# Altium PCB 4th_main.PcbDoc (part 3 of 3)
Units mm, origin at the board's own origin, x right, y up, seen from the top; angles counter-clockwise.
Board outline 130 x 106.5 mm, 2 copper layers (Top Layer, Bottom Layer); 288 components, 276 nets, 1062 pads, 448 vias.
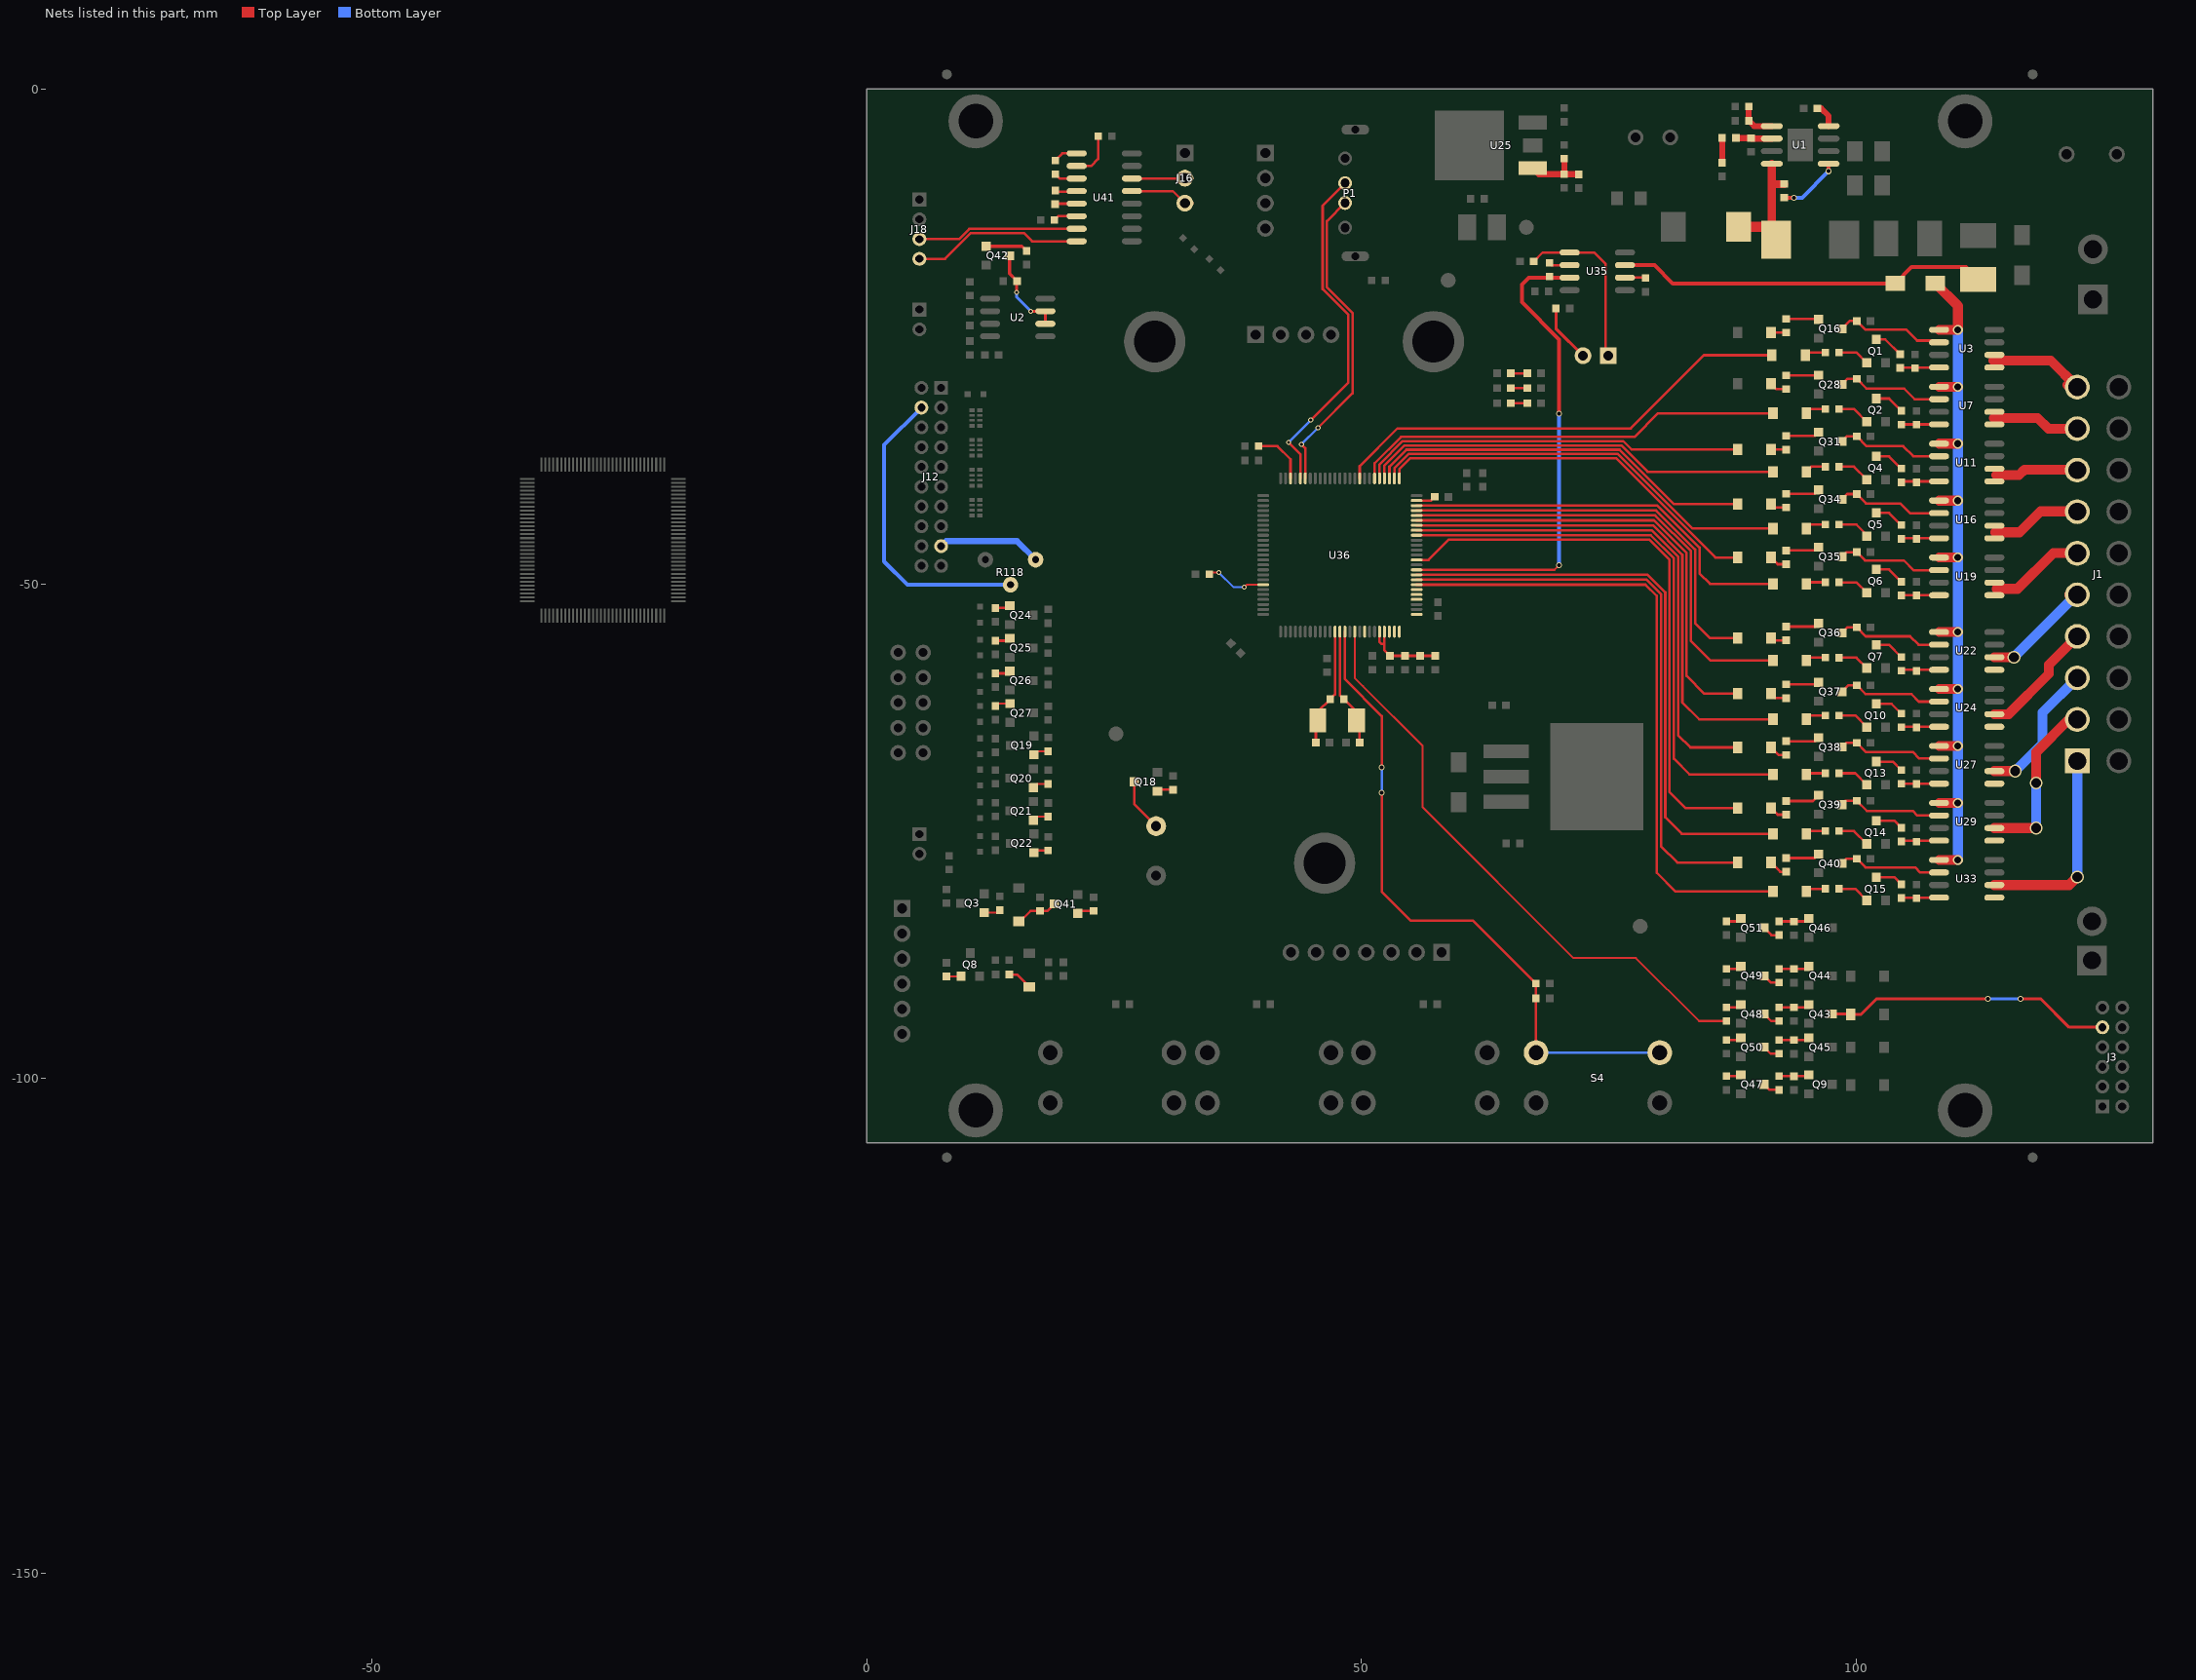
[diagram p3: the nets of this part, all layers, seen from the top]

## Via types
v1: diameter 0.5, hole 0.3, Top Layer to Bottom Layer, tented both sides, 259 vias
v2: diameter 0.6, hole 0.4, Top Layer to Bottom Layer, tented both sides, 152 vias
v3: diameter 1.3, hole 1, Top Layer to Bottom Layer, tented both sides, 13 vias
v4: diameter 1, hole 0.7, Top Layer to Bottom Layer, tented both sides, 10 vias
v5: diameter 0.8, hole 0.6, Top Layer to Bottom Layer, tented both sides, 5 vias
v6: diameter 0.9, hole 0.6, Top Layer to Bottom Layer, tented both sides, 5 vias
v7: diameter 1, hole 0.6, Top Layer to Bottom Layer, tented both sides, 3 vias
v8: diameter 2, hole 1.5, Top Layer to Bottom Layer, tented both sides, 1 vias

## Nets (pads, with @x,y where several pads share a name; then routed paths per layer and width w, separated by ;. In a path a pad name is that pad's centre, name@x,y a point inside that pad or via, vN(x,y) a via of type N, cw(c..) or ccw(c..) an arc to the next point about the centre after c; other vN are vias at no path point) (continued)
MOTOR_L3: D39.1 U36.55 | length 38.9
  Top Layer w0.254: U36.55@51.811,-39.346 51.811,-37.939 54.165,-35.585 76.434,-35.585 77.272,-36.424 D39.1@87.995,-36.424
MOTOR_L4: D40.1 U36.53 | length 39.4
  Top Layer w0.254: U36.53@52.811,-39.346 52.811,-38.16 54.523,-36.449 76.076,-36.449 81.588,-41.961 D40.1@87.995,-41.961
MOTOR_L5: D41.1 U36.51 | length 39.7
  Top Layer w0.254: U36.51@53.811,-39.346 53.811,-38.432 54.931,-37.313 75.718,-37.313 85.751,-47.346 D41.1@87.995,-47.346
MOTOR_L6: D42.1 U36.47 | length 42.1
  Top Layer w0.254: U36.47@55.561,-42.596 79.78,-42.596 83.718,-46.534 83.718,-53.975 85.242,-55.499 D42.1@87.995,-55.499
MOTOR_L7: D43.1 U36.45 | length 47
  Top Layer w0.254: U36.45@55.561,-43.596 79.559,-43.596 82.855,-46.892 82.855,-59.309 84.658,-61.112 D43.1@87.995,-61.112
MOTOR_L8: D44.1 U36.43 | length 52.1
  Top Layer w0.254: U36.43@55.561,-44.596 79.338,-44.596 81.991,-47.249 81.991,-65.303 83.236,-66.548 D44.1@87.995,-66.548
MOTOR_L9: D45.1 U36.37 | length 58.3
  Top Layer w0.254: U36.37@55.561,-47.596 56.762,-47.596 58.83,-45.528 79.048,-45.528 81.128,-47.607 81.128,-71.069 82.728,-72.669 D45.1@87.995,-72.669
MOTOR_L10: D46.1 U36.33 | length 59.2
  Top Layer w0.254: U36.33@55.561,-49.596 78.805,-49.596 80.264,-51.055 80.264,-76.53 81.915,-78.181 D46.1@87.995,-78.181
MOTOR_PWR1: J1.10 U3.5 U3.6 | length 9.8
  Top Layer w1: 113.868,-27.432 119.653,-27.432 J1.10@122.341,-30.12 ; J1.10@121.361,-29.914 J1.10@121.535,-30.088
MOTOR_PWR2: J1.9 U7.5 U7.6 | length 9
  Top Layer w1: 113.894,-33.249 118.339,-33.249 119.41,-34.32 J1.9@121.505,-34.32 ; J1.9@121.423,-34.401 J1.9@121.505,-34.32 ; J1.9@121.535,-34.289 J1.9@121.505,-34.32 ; J1.9@122.341,-34.32 J1.9@121.505,-34.32
MOTOR_PWR3: J1.8 U11.5 U11.6 | length 7.6
  Top Layer w1: 114.148,-39.014 116.462,-39.014 116.988,-38.488 J1.8@121.535,-38.488
MOTOR_PWR4: J1.7 U16.5 U16.6 | length 8.4
  Top Layer w1: 114.046,-44.806 116.513,-44.806 118.629,-42.689 J1.7@121.535,-42.689
MOTOR_PWR5: J1.6 U19.5 U19.6 | length 8.8
  Top Layer w1: 114.224,-50.521 116.284,-50.521 119.917,-46.888 J1.6@121.535,-46.888
MOTOR_PWR6: J1.5 U22.5 U22.6 | length 11.1
  Top Layer w1: U22.6@113.956,-57.431 115.927,-57.431 v3(115.934,-57.424) ; J1.5@121.535,-51.162 J1.5@121.535,-51.089
  Bottom Layer w1: v3(115.934,-57.424) 122.238,-51.12 J1.5@122.341,-51.12
MOTOR_PWR7: J1.4 U24.5 U24.6 | length 12.2
  Top Layer w1: U24.6@113.956,-63.188 115.402,-63.188 119.47,-59.12 119.47,-58.19 J1.4@122.341,-55.32
MOTOR_PWR8: J1.3 U27.5 U27.6 | length 14.1
  Top Layer w1: U27.6@113.956,-68.945 v3(116.071,-68.945)
  Bottom Layer w1: v3(116.071,-68.945) 118.83,-66.187 118.83,-63.03 J1.3@122.341,-59.52
MOTOR_PWR9: J1.2 U29.5 U29.6 | length 16.2
  Top Layer w1: U29.6@113.956,-74.703 v3(118.195,-74.703) ; v3(118.195,-70.149) 118.195,-67.01 J1.2@121.535,-63.669
  Bottom Layer w1: v3@118.195,-74.264 v3(118.195,-70.149)
MOTOR_PWR10: J1.1 U33.5 U33.6 | length 20.6
  Top Layer w1: U33.6@113.956,-80.46 121.521,-80.46 v3(122.341,-79.64)
  Bottom Layer w1: v3@122.225,-79.756 v3(122.341,-79.64) J1.1@122.341,-67.92
MOTOR_R1: D1.1 U36.59 | length 47.7
  Top Layer w0.254: U36.59@49.811,-39.346 49.811,-38.107 53.628,-34.29 77.214,-34.29 84.605,-26.899 D1.1@91.475,-26.899 ; D1.1@91.475,-26.944 91.531,-26.944 D1.1@91.576,-26.899
MOTOR_R2: D3.1 U36.56 | length 43.9
  Top Layer w0.254: U36.56@51.312,-39.346 51.312,-37.828 53.986,-35.154 77.572,-35.154 79.959,-32.766 D3.1@91.576,-32.766
MOTOR_R3: D4.1 U36.54 | length 42.7
  Top Layer w0.254: U36.54@52.312,-39.346 52.312,-38.049 54.344,-36.017 76.255,-36.017 78.922,-38.684 D4.1@91.576,-38.684 ; D4.1@91.449,-38.557 D4.1@91.576,-38.43
MOTOR_R4: D5.1 U36.52 | length 43
  Top Layer w0.254: U36.52@53.312,-39.346 53.312,-38.322 54.752,-36.881 75.897,-36.881 83.441,-44.425 D5.1@91.576,-44.425
MOTOR_R5: D6.1 U36.48 | length 40.8
  Top Layer w0.254: U36.48@55.561,-42.096 79.891,-42.096 84.15,-46.355 84.15,-48.946 85.217,-50.013 D6.1@91.576,-50.013
MOTOR_R6: D7.1 U36.46 | length 47.4
  Top Layer w0.254: U36.46@55.561,-43.096 79.67,-43.096 83.287,-46.713 83.287,-55.804 85.237,-57.754 D7.1@91.576,-57.754
MOTOR_R7: D10.1 U36.44 | length 52.9
  Top Layer w0.254: U36.44@55.561,-44.096 79.449,-44.096 82.423,-47.07 82.423,-62.001 84.119,-63.697 D10.1@91.576,-63.697
MOTOR_R8: D12.1 U36.42 | length 57.9
  Top Layer w0.254: U36.42@55.561,-45.096 79.227,-45.096 81.559,-47.428 81.559,-67.691 83.154,-69.285 D12.1@91.576,-69.285
MOTOR_R9: D14.1 U36.34 | length 60.2
  Top Layer w0.254: U36.34@55.561,-49.096 78.916,-49.096 80.696,-50.876 80.696,-73.609 82.366,-75.28 D14.1@91.576,-75.28
MOTOR_R10: D15.1 U36.32 | length 65.3
  Top Layer w0.254: U36.32@55.561,-50.096 78.694,-50.096 79.832,-51.234 79.832,-79.223 81.731,-81.122 D15.1@91.576,-81.122
MOTOR_S1: U36.31
MOTOR_S2: U36.30
MOTOR_S3: U36.29
MOTOR_S4: U36.26
MOTOR_S5: U36.25
MOTOR_S6: U36.24
MOTOR_S7: U36.23
MOTOR_S8: U36.18
NetC26_1: C26.1 U1.1 | length 6.9
  Top Layer w0.4: C26.1@92.719,-10.967 v2(93.709,-10.967) ; v2(97.212,-8.297) U1.1@97.212,-7.539
  Top Layer w0.6: U1.1@96.68,-7.539 U1.1@97.212,-7.539
  Bottom Layer w0.4: v2(93.709,-10.967) 94.542,-10.967 v2(97.212,-8.297)
NetC26_2: C26.2 D16.2 L1.1 U1.8 | length 13
  Top Layer w0.6: D16.2@91.087,-13.913 D16.2@91.464,-14.291 ; D16.2@91.464,-14.799 D16.2@91.464,-14.291 ; U1.8@91.464,-7.539 U1.8@91.896,-7.539 ; D16.2@91.9,-14.726 D16.2@91.464,-14.291
  Top Layer w0.8: D16.2@91.464,-14.291 91.464,-9.595 ; U1.8@91.464,-7.539 91.464,-9.595 ; C26.2@92.708,-9.595 91.464,-9.595
  Top Layer w1: L1.1@88.121,-13.913 D16.2@91.087,-13.913
NetC38_2: C38.2 U41.2 | length 4.8
  Top Layer w0.254: U41.2@21.195,-7.765 22.653,-7.765 23.37,-7.049 C38.2@23.37,-4.748
NetC39_1: C39.1 R79.1 R84.2 U25.1 | length 6.5
  Top Layer w0.6: U25.1@67.304,-7.992 67.91,-8.598 R84.2@70.487,-8.598 ; R79.1@70.479,-7.027 70.487,-7.035 R84.2@70.487,-8.598 ; C39.1@71.958,-8.611 71.945,-8.598 R84.2@70.487,-8.598
NetC40_1: C40.1 U41.1 | length 2.5
  Top Layer w0.254: C40.1@19.036,-7.208 19.749,-6.495 U41.1@21.195,-6.495
NetC40_2: C40.2 U41.3 | length 2.3
  Top Layer w0.254: C40.2@19.035,-8.592 19.478,-9.035 U41.3@21.195,-9.035
NetC41_1: C41.1 U41.5 | length 2.2
  Top Layer w0.254: C41.1@19.033,-11.754 19.212,-11.575 U41.5@21.195,-11.575
NetC41_2: C41.2 U41.4 | length 2.2
  Top Layer w0.254: C41.2@19.035,-10.37 21.13,-10.37 U41.4@21.195,-10.305
NetC46_1: C46.1 U41.6 | length 2.4
  Top Layer w0.254: C46.1@18.957,-13.228 19.339,-12.845 U41.6@21.195,-12.845
NetC59_1: C59.1 U1.4 | length 2.5
  Top Layer w0.6: C59.1@96.071,-1.95 96.452,-1.95 97.212,-2.709 U1.4@97.212,-3.729
NetC60_1: C60.1 R52.2 U1.6 | length 3.7
  Top Layer w0.6: R52.2@87.829,-4.923 87.853,-4.947 C60.1@89.366,-4.947 89.418,-4.999 U1.6@91.464,-4.999
NetC61_1: C61.1 R52.1 | length 2.5
  Top Layer w0.6: C61.1@86.445,-7.436 R52.1@86.445,-4.922
NetD1_2: D1.2 R9.1 | length 2
  Top Layer w0.254: D1.2@94.961,-26.899 95.247,-26.613 R9.1@96.884,-26.613
NetD3_2: D3.2 R22.1 | length 2.1
  Top Layer w0.254: D3.2@94.961,-32.766 95.399,-32.328 R22.1@96.884,-32.328
NetD4_2: D4.2 R32.1 | length 2.1
  Top Layer w0.254: D4.2@94.961,-38.684 95.475,-38.17 R32.1@96.884,-38.17
NetD5_2: D5.2 R46.1 | length 2.1
  Top Layer w0.254: D5.2@94.961,-44.425 95.374,-44.012 R46.1@96.884,-44.012
NetD6_2: D6.2 R55.1 | length 2
  Top Layer w0.254: D6.2@94.961,-50.013 95.12,-49.854 R55.1@96.884,-49.854
NetD7_2: D7.2 R68.1 | length 2
  Top Layer w0.254: D7.2@94.961,-57.754 95.241,-57.474 R68.1@96.884,-57.474
NetD8_2: D8.2 R122.1 | length 2.5
  Top Layer w0.254: R122.1@14.391,-89.51 15.173,-89.51 D8.2@16.408,-90.745 ; D8.2@16.408,-90.754 D8.2@16.423,-90.754
NetD10_2: D10.2 R73.1 | length 2.1
  Top Layer w0.254: D10.2@94.961,-63.697 95.342,-63.316 R73.1@96.884,-63.316
NetD12_2: D12.2 R85.1 | length 2
  Top Layer w0.254: D12.2@94.961,-69.285 95.088,-69.158 R85.1@96.884,-69.158
NetD14_2: D14.2 R90.1 | length 2
  Top Layer w0.254: D14.2@94.961,-75.28 95.241,-75 R90.1@96.884,-75
NetD15_2: D15.2 R99.1 | length 2
  Top Layer w0.254: D15.2@94.961,-81.122 95.241,-80.842 R99.1@96.884,-80.842
NetD17_1: D17.1 U3.1 U7.1 U11.1 U16.1 U19.1 U22.1 U24.1 U27.1 U29.1 U33.1 | length 78.3
  Top Layer w1: D17.1@107.994,-19.634 110.269,-21.909 v4(110.269,-24.326) U3.1@108.368,-24.326 ; U33.1@108.368,-77.92 108.369,-77.921 v4(110.27,-77.921) ; U29.1@108.368,-72.163 v4(110.27,-72.163) ; U27.1@108.368,-66.405 v4(110.27,-66.405) ; U24.1@108.368,-60.648 v4(110.27,-60.648) ; U22.1@108.368,-54.891 v4(110.27,-54.891) ; U19.1@108.368,-47.355 v4(110.27,-47.355) ; U16.1@108.368,-41.598 v4(110.27,-41.598) ; U11.1@108.368,-35.841 v4(110.27,-35.841) ; U7.1@108.368,-30.083 v4(110.27,-30.083)
  Bottom Layer w1: v4@110.269,-72.163 v4(110.269,-24.326) ; v4(110.27,-77.921) v4(110.27,-72.163)
NetD17_2: D17.2 R105.2 U35.3 | length 37.7
  Top Layer w0.4: U35.3@76.62,-17.787 79.611,-17.787 81.458,-19.634 D17.2@103.944,-19.634 105.595,-17.983 111.084,-17.983 R105.2@112.319,-19.218
NetD19_1: D19.1 R115.2 | length 1.7
  Top Layer w0.254: D19.1@65.083,-30.224 R115.2@66.745,-30.224
NetD20_1: D20.1 R120.2 | length 1.7
  Top Layer w0.254: D20.1@65.083,-31.748 R120.2@66.745,-31.748
NetD21_1: D21.1 R123.2 | length 1.7
  Top Layer w0.254: D21.1@65.083,-28.725 R123.2@66.745,-28.725
NetD37_2: D37.2 R6.1 | length 1.5
  Top Layer w0.254: D37.2@91.38,-24.613 92.916,-24.613 R6.1@92.922,-24.607
NetD38_2: D38.2 R15.1 | length 1.8
  Top Layer w0.254: D38.2@91.38,-29.763 91.939,-30.322 R15.1@92.922,-30.322
NetD39_2: D39.2 R24.1 | length 1.6
  Top Layer w0.254: D39.2@91.38,-36.424 91.4,-36.443 R24.1@92.922,-36.443
NetD40_2: D40.2 R34.1 | length 1.7
  Top Layer w0.254: D40.2@91.398,-41.879 91.804,-42.285 R34.1@92.922,-42.285
NetD41_2: D41.2 R36.1 | length 2
  Top Layer w0.254: D41.2@91.38,-47.346 D41.2@91.398,-47.363 ; D41.2@91.398,-47.162 D41.2@91.398,-47.363 ; R36.1@92.922,-48.026 92.06,-48.026 D41.2@91.398,-47.363
NetD42_2: D42.2 R38.1 | length 1.6
  Top Layer w0.254: D42.2@91.398,-55.468 91.652,-55.722 R38.1@92.922,-55.722
NetD43_2: D43.2 R42.1 | length 1.8
  Top Layer w0.254: D43.2@91.38,-61.112 91.831,-61.564 R42.1@92.922,-61.564 ; D43.2@91.398,-61.056 D43.2@91.417,-61.075
NetD44_2: D44.2 R44.1 | length 1.9
  Top Layer w0.254: D44.2@91.38,-66.548 92.136,-67.304 R44.1@92.922,-67.304
NetD45_2: D45.2 R48.1 | length 1.9
  Top Layer w0.254: D45.2@91.38,-72.669 D45.2@91.398,-72.687 ; D45.2@91.398,-72.562 D45.2@91.398,-72.687 ; R48.1@92.922,-73.349 92.06,-73.349 D45.2@91.398,-72.687
NetD46_2: D46.2 R50.1 | length 1.9
  Top Layer w0.254: D46.2@91.38,-78.181 92.314,-79.115 R50.1@92.922,-79.115
NetD55_1: D55.1 Q41.3 R57.1 | length 4.5
  Top Layer w0.254: D55.1@15.254,-84.252 15.367,-84.252 16.535,-83.083 R57.1@17.489,-83.083 18.245,-83.083 Q41.3@18.956,-82.372
NetJ11_1: J11.1 R108.2 U35.5 | length 17.7
  Top Layer w0.254: R108.2@67.354,-17.595 R108.2@67.379,-17.57 ; R108.2@67.354,-17.545 R108.2@67.436,-17.463 ; R108.2@67.399,-17.426 68.308,-16.517 U35.5@71.032,-16.517 73.515,-16.517 74.651,-17.653 74.651,-26.673 J11.1@74.927,-26.949
NetJ11_2: J11.2 R74.1 | length 5.9
  Top Layer w0.3: R74.1@69.647,-22.174 69.647,-24.209 J11.2@72.387,-26.949
NetJ12_9: J12.9 R118.1 | length 10.5
  Bottom Layer w0.6: J12.9@7.508,-46.195 8.012,-45.69 15.174,-45.69 R118.1@17.052,-47.568
NetJ12_12: J12.12 R118.2 | length 30.9
  Bottom Layer w0.4: J12.12@5.508,-32.195 1.741,-35.961 1.741,-47.757 4.093,-50.108 R118.2@14.512,-50.108
NetQ1_1: Q1.1 R9.2 | length 3.2
  Top Layer w0.254: R9.2@98.268,-26.615 100.019,-26.615 Q1.1@101.065,-27.661
NetQ1_3: Q1.3 R8.2 | length 3
  Top Layer w0.254: Q1.3@102.015,-25.311 102.937,-25.311 R8.2@104.43,-26.804
NetQ2_1: Q2.1 R22.2 | length 3.3
  Top Layer w0.254: R22.2@98.268,-32.33 99.765,-32.33 Q2.1@101.065,-33.63
NetQ2_3: Q2.3 R17.2 | length 3.1
  Top Layer w0.254: Q2.3@102.015,-31.28 103.318,-31.28 R17.2@104.557,-32.519
NetQ3_1: Q3.1 R59.2 | length 1.7
  Top Layer w0.2: Q3.1@11.857,-83.246 13.172,-83.246 R59.2@13.424,-82.995
NetQ4_1: Q4.1 R32.2 | length 3.3
  Top Layer w0.254: R32.2@98.268,-38.172 99.765,-38.172 Q4.1@101.065,-39.472
NetQ4_3: Q4.3 R30.2 | length 3.1
  Top Layer w0.254: Q4.3@102.015,-37.122 103.318,-37.122 R30.2@104.557,-38.361
NetQ5_1: Q5.1 R46.2 | length 3.2
  Top Layer w0.254: R46.2@98.268,-44.014 100.019,-44.014 Q5.1@101.065,-45.06
NetQ5_3: Q5.3 R41.2 | length 3.1
  Top Layer w0.254: Q5.3@102.015,-42.837 103.318,-42.837 R41.2@104.557,-44.076
NetQ6_1: Q6.1 R55.2 | length 3.2
  Top Layer w0.254: R55.2@98.268,-49.856 100.019,-49.856 Q6.1@101.065,-50.902
NetQ6_3: Q6.3 R54.2 | length 3.1
  Top Layer w0.254: Q6.3@102.015,-48.552 103.318,-48.552 R54.2@104.557,-49.791
NetQ7_1: Q7.1 R68.2 | length 3.2
  Top Layer w0.254: R68.2@98.268,-57.476 100.019,-57.476 Q7.1@101.065,-58.522
NetQ7_3: Q7.3 R65.2 | length 3.1
  Top Layer w0.254: Q7.3@102.015,-56.172 103.318,-56.172 R65.2@104.557,-57.411
NetQ8_1: Q8.1 R60.2 | length 1.5
  Top Layer w0.2: R60.2@8.042,-89.7 8.048,-89.694 Q8.1@9.504,-89.694
NetQ9_1: Q9.1 R61.1 R86.2 | length 2.9
  Top Layer w0.254: R86.2@92.2,-99.784 Q9.1@95.093,-99.784
NetQ10_1: Q10.1 R73.2 | length 3.3
  Top Layer w0.254: R73.2@98.268,-63.318 99.892,-63.318 Q10.1@101.065,-64.491
NetQ10_3: Q10.3 R72.2 | length 2.9
  Top Layer w0.254: Q10.3@102.015,-62.141 103.572,-62.141 R72.2@104.557,-63.126
NetQ13_1: Q13.1 R85.2 | length 3.3
  Top Layer w0.254: R85.2@98.268,-69.16 99.892,-69.16 Q13.1@101.065,-70.333
NetQ13_3: Q13.3 R83.2 | length 2.9
  Top Layer w0.254: Q13.3@102.015,-67.983 103.699,-67.983 R83.2@104.557,-68.841
NetQ14_1: Q14.1 R90.2 | length 3.3
  Top Layer w0.254: R90.2@98.268,-75.002 99.765,-75.002 Q14.1@101.065,-76.302
NetQ14_3: Q14.3 R89.2 | length 2.8
  Top Layer w0.254: Q14.3@102.015,-73.952 103.826,-73.952 R89.2@104.557,-74.683
NetQ15_1: Q15.1 R99.2 | length 3.3
  Top Layer w0.254: R99.2@98.268,-80.844 99.892,-80.844 Q15.1@101.065,-82.017
NetQ15_3: Q15.3 R97.2 | length 2.8
  Top Layer w0.254: Q15.3@102.015,-79.667 103.826,-79.667 R97.2@104.557,-80.398
NetQ16_1: Q16.1 R6.2 | length 3.3
  Top Layer w0.254: R6.2@92.923,-23.222 96.138,-23.222 Q16.1@96.192,-23.276
NetQ16_3: Q16.3 R1.2 U3.2 | length 11
  Top Layer w0.254: Q16.3@98.542,-24.226 99.331,-23.437 R1.2@100.046,-23.437 100.937,-24.327 105.063,-24.327 106.155,-25.42 108.191,-25.42 U3.2@108.368,-25.596
NetQ18_1: Q18.1 R119.2 | length 1.6
  Top Layer w0.254: Q18.1@29.369,-70.978 29.519,-70.828 R119.2@30.936,-70.828
NetQ18_3: Q18.3 U38.2 | length 5.4
  Top Layer w0.254: Q18.3@27.019,-70.028 27.019,-72.286 U38.2@29.235,-74.502
NetQ19_1: Q19.1 R124.2 | length 1.6
  Top Layer w0.2: Q19.1@16.866,-67.289 17.219,-66.936 R124.2@18.32,-66.936
NetQ20_1: Q20.1 R125.2 | length 1.6
  Top Layer w0.2: Q20.1@16.83,-70.616 17.208,-70.238 R125.2@18.32,-70.238
NetQ21_1: Q21.1 R126.2 | length 1.6
  Top Layer w0.2: Q21.1@16.83,-73.918 17.208,-73.54 R126.2@18.32,-73.54
NetQ22_1: Q22.1 R127.2 | length 1.5
  Top Layer w0.2: Q22.1@16.866,-77.195 17.092,-76.969 R127.2@18.32,-76.969
NetQ24_1: Q24.1 R141.2 | length 1.5
  Top Layer w0.254: R141.2@12.99,-52.458 14.218,-52.458 Q24.1@14.444,-52.232
NetQ25_1: Q25.1 R142.2 | length 1.5
  Top Layer w0.254: R142.2@12.99,-55.76 14.218,-55.76 Q25.1@14.444,-55.534
NetQ26_1: Q26.1 R143.2 | length 1.5
  Top Layer w0.254: R143.2@12.99,-59.062 14.218,-59.062 Q26.1@14.444,-58.836
NetQ27_1: Q27.1 R144.2 | length 1.6
  Top Layer w0.2: R144.2@12.99,-62.364 13.241,-62.112 Q27.1@14.48,-62.112
NetQ28_1: Q28.1 R15.2 | length 3.3
  Top Layer w0.254: R15.2@92.923,-28.937 96.169,-28.937 Q28.1@96.192,-28.915
NetQ28_3: Q28.3 R10.2 U7.2 | length 10.9
  Top Layer w0.254: Q28.3@98.542,-29.865 99.128,-29.279 R10.2@100.046,-29.279 101.039,-30.271 104.834,-30.271 105.917,-31.353 U7.2@108.368,-31.353
NetQ31_1: Q31.1 R24.2 | length 3.4
  Top Layer w0.254: R24.2@92.923,-35.059 95.813,-35.059 Q31.1@96.192,-34.68
NetQ31_3: Q31.3 R18.2 U11.2 | length 10.9
  Top Layer w0.254: Q31.3@98.542,-35.63 99.077,-35.095 R18.2@100.046,-35.095 101.039,-36.088 104.733,-36.088 105.756,-37.111 U11.2@108.368,-37.111
NetQ34_1: Q34.1 R34.2 | length 3.4
  Top Layer w0.254: R34.2@92.923,-40.901 95.813,-40.901 Q34.1@96.192,-40.522
NetQ34_3: Q34.3 R27.2 U16.2 | length 10.8
  Top Layer w0.254: Q34.3@98.542,-41.472 99.077,-40.937 R27.2@100.046,-40.937 100.988,-41.879 104.453,-41.879 105.443,-42.868 U16.2@108.368,-42.868
NetQ35_1: Q35.1 R36.2 | length 3.4
  Top Layer w0.254: R36.2@92.923,-46.641 95.864,-46.641 Q35.1@96.192,-46.314
NetQ35_3: Q35.3 R35.2 U19.2 | length 10.8
  Top Layer w0.254: Q35.3@98.542,-47.264 99.002,-46.803 R35.2@100.046,-46.803 100.888,-47.645 104.809,-47.645 105.79,-48.625 U19.2@108.368,-48.625
NetQ36_1: Q36.1 R38.2 | length 3.4
  Top Layer w0.254: R38.2@92.923,-54.337 95.864,-54.337 Q36.1@96.192,-54.01
NetQ36_3: Q36.3 R37.2 U22.2 | length 10.8
  Top Layer w0.254: Q36.3@98.542,-54.96 99.102,-54.399 R37.2@100.046,-54.399 100.963,-55.315 105.444,-55.315 106.289,-56.161 U22.2@108.368,-56.161
NetQ37_1: Q37.1 R42.2 | length 3.1
  Top Layer w0.254: R42.2@92.923,-60.179 Q37.1@95.991,-60.179
NetQ37_3: Q37.3 R39.2 U24.2 | length 10.8
  Top Layer w0.254: Q37.3@98.542,-60.929 99.205,-60.265 R39.2@100.046,-60.265 100.939,-61.157 105.571,-61.157 106.332,-61.918 U24.2@108.368,-61.918
NetQ38_1: Q38.1 R44.2 | length 3.4
  Top Layer w0.254: R44.2@92.923,-65.92 95.839,-65.92 Q38.1@96.192,-65.567
NetQ38_3: Q38.3 R43.2 U27.2 | length 10.7
  Top Layer w0.254: Q38.3@98.542,-66.517 98.975,-66.083 R43.2@100.046,-66.083 100.963,-66.999 105.698,-66.999 106.374,-67.675 U27.2@108.368,-67.675
NetQ39_1: Q39.1 R48.2 | length 3.5
  Top Layer w0.254: R48.2@92.923,-71.965 95.61,-71.965 Q39.1@96.192,-71.383
NetQ39_3: Q39.3 R47.2 U29.2 | length 10.6
  Top Layer w0.254: Q39.3@98.542,-72.333 98.924,-71.951 R47.2@100.046,-71.951 101.064,-72.968 105.698,-72.968 106.162,-73.433 U29.2@108.368,-73.433
NetQ40_1: Q40.1 R50.2 | length 3.4
  Top Layer w0.254: R50.2@92.923,-77.731 95.788,-77.731 Q40.1@96.192,-77.327
NetQ40_3: Q40.3 R49.2 U33.2 | length 10.6
  Top Layer w0.254: Q40.3@98.542,-78.277 99.026,-77.793 R49.2@100.046,-77.793 100.937,-78.683 105.952,-78.683 106.459,-79.19 U33.2@108.368,-79.19
NetQ41_1: Q41.1 R117.2 | length 1.7
  Top Layer w0.254: Q41.1@21.306,-83.322 21.558,-83.071 R117.2@22.923,-83.071
NetQ42_1: Q42.1 R76.2 | length 4.3
  Top Layer w0.3: Q42.1@12.067,-15.884 15.67,-15.884 R76.2@16.131,-16.345
NetQ42_3: Q42.3 R69.1 U2.2 U2.3 | length 9.3
  Top Layer w0.3: Q42.3@14.417,-16.834 14.417,-18.644 R69.1@15.172,-19.4 15.147,-19.425 v1(15.147,-20.543) ; v1(16.579,-22.449) U2.3@18.04,-22.449 U2.2@18.04,-23.719
  Bottom Layer w0.3: v1(15.147,-20.543) 15.147,-21.025 v1@16.569,-22.448
NetQ43_1: Q43.1 R62.1 R87.2 | length 3.1
  Top Layer w0.254: R87.2@92.2,-92.824 94.941,-92.824 Q43.1@95.218,-92.547
NetQ44_1: Q44.1 R66.1 R92.2 | length 3.1
  Top Layer w0.254: R92.2@92.204,-88.938 94.966,-88.938 Q44.1@95.218,-88.687
NetQ45_1: Q45.1 R67.1 R93.2 | length 2.8
  Top Layer w0.254: R93.2@92.2,-96.126 Q45.1@94.992,-96.126
NetQ46_1: Q46.1 R78.1 R94.2 | length 3.1
  Top Layer w0.254: R94.2@92.2,-84.138 94.916,-84.138 Q46.1@95.218,-83.835
NetQ47_1: Q47.1 R95.2 | length 1.3
  Top Layer w0.254: R95.2@86.87,-99.784 Q47.1@88.21,-99.784
NetQ47_3: Q47.3 R86.1 | length 1.7
  Top Layer w0.254: Q47.3@90.685,-100.609 91.243,-101.168 R86.1@92.199,-101.168
NetQ48_1: Q48.1 R98.2 | length 1.2
  Top Layer w0.254: R98.2@86.87,-92.824 Q48.1@88.058,-92.824
NetQ48_3: Q48.3 R87.1 | length 1.8
  Top Layer w0.254: Q48.3@90.685,-93.497 91.396,-94.209 R87.1@92.199,-94.209
NetQ49_1: Q49.1 R100.2 | length 1.6
  Top Layer w0.254: R100.2@86.87,-88.938 88.083,-88.938 Q49.1@88.335,-88.687
NetQ49_3: Q49.3 R92.1 | length 1.8
  Top Layer w0.254: Q49.3@90.685,-89.637 91.37,-90.322 R92.1@92.202,-90.322
NetQ50_1: Q50.1 R101.2 | length 1.2
  Top Layer w0.254: R101.2@86.87,-96.126 Q50.1@88.108,-96.126
NetQ50_3: Q50.3 R93.1 | length 1.8
  Top Layer w0.254: Q50.3@90.685,-96.85 91.345,-97.511 R93.1@92.199,-97.511
NetQ51_1: Q51.1 R102.2 | length 1.6
  Top Layer w0.254: R102.2@86.87,-84.138 88.032,-84.138 Q51.1@88.335,-83.835
NetQ51_3: Q51.3 R94.1 | length 1.8
  Top Layer w0.254: Q51.3@90.685,-84.785 91.421,-85.522 R94.1@92.199,-85.522
NetR7_2: R7.2 R8.1 U3.4 | length 3.9
  Top Layer w0.254: R8.1@104.48,-28.136 U3.4@108.368,-28.136
NetR16_2: R16.2 R17.1 U7.4 | length 3.8
  Top Layer w0.254: R17.1@104.565,-33.893 U7.4@108.368,-33.893
NetR29_2: R29.2 R30.1 U11.4 | length 3.7
  Top Layer w0.254: R30.1@104.65,-39.651 U11.4@108.368,-39.651
NetR40_2: R40.2 R41.1 U16.4 | length 3.8
  Top Layer w0.254: R41.1@104.607,-45.408 U16.4@108.368,-45.408
NetR51_1: R51.1 R56.2 U1.5 | length 4
  Top Layer w0.6: R51.1@89.137,-1.747 89.137,-3.184 R56.2@89.15,-3.196 89.683,-3.729 U1.5@91.464,-3.729
NetR53_2: R53.2 R54.1 U19.4 | length 3.8
  Top Layer w0.254: R54.1@104.565,-51.165 U19.4@108.368,-51.165
NetR64_2: R64.2 R65.1 U22.4 | length 3.7
  Top Layer w0.254: R65.1@104.65,-58.701 U22.4@108.368,-58.701
NetR71_2: R71.2 R72.1 U24.4 | length 3.8
  Top Layer w0.254: R72.1@104.607,-64.458 U24.4@108.368,-64.458
NetR82_2: R82.2 R83.1 U27.4 | length 3.8
  Top Layer w0.254: R83.1@104.565,-70.215 U27.4@108.368,-70.215
NetR88_2: R88.2 R89.1 U29.4 | length 3.7
  Top Layer w0.254: R89.1@104.65,-75.973 U29.4@108.368,-75.973
NetR96_2: R96.2 R97.1 U33.4 | length 3.8
  Top Layer w0.254: R97.1@104.607,-81.73 U33.4@108.368,-81.73
NetR106_1: R106.1 U35.2 | length 2.3
  Top Layer w0.254: U35.2@76.695,-19.132 U35.2@76.62,-19.057 78.707,-19.057 R106.1@78.782,-19.132
NetR111_1: R111.1 U36.94 | length 6.3
  Top Layer w0.2: R111.1@34.603,-49.042 34.781,-48.864 v1(35.569,-48.864) ; v1(38.134,-50.362) 38.4,-50.096 U36.94@40.061,-50.096
  Bottom Layer w0.2: v1(35.569,-48.864) 37.067,-50.362 v1(38.134,-50.362)
NetR114_1: R114.1 U35.6 | length 1.9
  Top Layer w0.254: R114.1@69.182,-17.787 U35.6@71.032,-17.787
NRST: C57.1 R148.1 S4.1 U36.14 | length 66.8
  Top Layer w0.254: U36.14@48.312,-54.846 48.312,-59.642 52.045,-63.375 v2(52.045,-68.555) ; v2(52.045,-71.145) 52.045,-81.153 54.94,-84.049 61.254,-84.049 C57.1@67.629,-90.424 R148.1@67.629,-91.923 67.629,-97.399 S4.1@67.639,-97.409
  Bottom Layer w0.254: v2(52.045,-71.145) v2(52.045,-68.555) ; S4.1@67.639,-97.409 S4.1@80.139,-97.409
OSC_IN: C45.1 R146.2 U36.12 X1.2 | length 11.7
  Top Layer w0.254: C45.1@45.373,-66.06 X1.2@45.373,-64.023 ; X1.2@45.572,-63.824 45.572,-62.926 R146.2@46.833,-61.664 47.312,-61.186 U36.12@47.312,-54.846
OSC_OUT: C55.2 R146.1 U36.13 X1.1 | length 11.4
  Top Layer w0.254: U36.13@47.811,-54.846 47.811,-61.259 R146.1@48.218,-61.665 49.492,-62.94 X1.1@49.492,-63.825 ; C55.2@49.805,-66.061 X1.1@49.805,-64.29
R232_RX1: J16.3 U41.13 | length 6.4
  Top Layer w0.254: U41.13@26.783,-10.305 30.919,-10.305 J16.3@32.145,-11.532 ; J16.3@32.526,-11.151 J16.3@32.907,-11.532
R232_RX2: J18.4 U41.8 | length 17.3
  Top Layer w0.254: J18.4@5.308,-17.158 7.913,-17.158 10.524,-14.547 15.85,-14.547 16.688,-15.385 U41.8@21.195,-15.385
R232_TX1: J16.2 U41.14 | length 6.1
  Top Layer w0.254: U41.14@26.783,-9.035 J16.2@32.864,-9.035
R232_TX2: J18.3 U41.7 | length 16.3
  Top Layer w0.254: J18.3@5.308,-15.158 9.302,-15.158 10.345,-14.115 U41.7@21.195,-14.115
TEMP: R114.2 U35.7 U36.35 | length 49.6
  Top Layer w0.254: U36.35@55.561,-48.596 69.488,-48.596 v2(69.952,-48.133)
  Top Layer w0.4: v2(69.952,-32.791) 69.952,-25.298 66.192,-21.539 66.192,-19.761 66.896,-19.057 U35.7@71.032,-19.057
  Bottom Layer w0.4: v2(69.952,-48.133) v2(69.952,-32.791)
USB_DM: P1.2 U36.70 | length 32
  Top Layer w0.254: v1(43.922,-35.911) 44.311,-36.301 U36.70@44.311,-39.346 ; v1(45.598,-34.235) 49.087,-30.746 49.087,-22.631 46.496,-20.041 46.496,-13.339 P1.2@48.336,-11.498
  Bottom Layer w0.254: v1(43.922,-35.911) v1(45.598,-34.235)
USB_DP: P1.3 U36.71 | length 34.9
  Top Layer w0.254: v1(42.601,-35.708) 43.811,-36.919 U36.71@43.811,-39.346 ; v1(44.861,-33.448) 48.655,-29.654 48.655,-22.81 46.064,-20.219 46.064,-11.77 P1.3@48.336,-9.498
  Bottom Layer w0.254: v1(42.601,-35.708) v1(44.861,-33.448)
V_CAP1: C43.1 U36.49 | length 2
  Top Layer w0.254: U36.49@55.561,-41.596 57.01,-41.596 C43.1@57.387,-41.218
V_CAP2: C44.1 U36.73 | length 5.7
  Top Layer w0.254: C44.1@39.587,-36.093 41.492,-36.093 42.811,-37.412 U36.73@42.811,-39.346
VDDA: C42.1 C54.1 C56.1 R145.1 U36.21 U36.22 | length 8.9
  Top Layer w0.254: U36.21@51.811,-54.846 51.811,-55.889 52,-56.077 52.312,-56.077 ; U36.22@52.312,-54.846 52.312,-56.077 ; R145.1@52.866,-57.297 52.312,-56.742 52.312,-56.077
  Top Layer w0.3: R145.1@52.866,-57.297 C54.1@54.39,-57.297 C56.1@55.914,-57.297 C42.1@57.438,-57.297
WIND_EN: R98.1 U36.16 | length 60.2
  Top Layer w0.2: U36.16@49.312,-54.846 49.312,-59.535 50.14,-60.364 56.163,-66.386 56.163,-72.597 71.402,-87.836 77.728,-87.836 84.1,-94.209 R98.1@86.868,-94.209
WIND_PWR: D9.1 J3.5 Q43.3 | length 29.2
  Top Layer w0.3: Q43.3@97.568,-93.497 99.374,-93.497 D9.1@99.425,-93.548 100.482,-93.548 102.083,-91.948 v2(113.309,-91.948) ; v2(116.586,-91.948) 118.618,-91.948 121.515,-94.845 J3.5@124.882,-94.845
  Bottom Layer w0.3: v2(113.309,-91.948) v2(116.586,-91.948)
pads on no net: Designator3.1 Designator3.2 Designator3.3 Designator3.4 Designator3.5 Designator3.6 Designator3.7 Designator3.8 Designator3.9 Designator3.10 Designator3.11 Designator3.12 Designator3.13 Designator3.14 Designator3.15 Designator3.16 Designator3.17 Designator3.18 Designator3.19 Designator3.20 Designator3.21 Designator3.22 Designator3.23 Designator3.24 Designator3.25 Designator3.26 Designator3.27 Designator3.28 Designator3.29 Designator3.30 Designator3.31 Designator3.32 Designator3.33 Designator3.34 Designator3.35 Designator3.36 Designator3.37 Designator3.38 Designator3.39 Designator3.40 Designator3.41 Designator3.42 Designator3.43 Designator3.44 Designator3.45 Designator3.46 Designator3.47 Designator3.48 Designator3.49 Designator3.50 Designator3.51 Designator3.52 Designator3.53 Designator3.54 Designator3.55 Designator3.56 Designator3.57 Designator3.58 Designator3.59 Designator3.60 Designator3.61 Designator3.62 Designator3.63 Designator3.64 Designator3.65 Designator3.66 Designator3.67 Designator3.68 Designator3.69 Designator3.70 Designator3.71 Designator3.72 Designator3.73 Designator3.74 Designator3.75 Designator3.76 Designator3.77 Designator3.78 Designator3.79 Designator3.80 Designator3.81 Designator3.82 Designator3.83 Designator3.84 Designator3.85 Designator3.86 Designator3.87 Designator3.88 Designator3.89 Designator3.90 Designator3.91 Designator3.92 Designator3.93 Designator3.94 Designator3.95 Designator3.96 Designator3.97 Designator3.98 Designator3.99 Designator3.100 Designator3.101 Designator3.102 Designator3.103 Designator3.104 Designator3.105 Designator3.106 Designator3.107 Designator3.108 Designator3.109 Designator3.110 Designator3.111 Designator3.112 Designator3.113 Designator3.114 Designator3.115 Designator3.116 Designator3.117 Designator3.118 Designator3.119 Designator3.120 Designator3.121 Designator3.122 Designator3.123 Designator3.124 Designator3.125 Designator3.126 Designator3.127 Designator3.128 J3.1 J3.2 J3.6 J3.11 P1.0 R75.3 R75.4 R75.5 R75.6 U1.3

## Polygon pours and split planes (outlines as drawn)
GND on Top Layer "GND" (solid, remove dead copper, pour order 4): 0,0 130,0 130,-106.502 0,-106.502
GND on Bottom Layer "GND" (solid, remove dead copper, pour order 3): 0,0 130,0 130,-106.502 0,-106.502

## Keep-outs
Keep-Out Layer:
  lines w0.254: 0,-109.502 130,-109.502 130,-106.502 ; 0,-109.471 0,-106.502 ; 130,2.969 130,0 ; 130,3 0,3 0,0 ; 0,-106.502 130,-106.502 ; 0,-106.502 0,0 ; 0,0 130,0 ; 130,-106.502 130,0 ; 53.628,-17.342 ccw(c54.517,-16.453) 55.406,-17.342 55.406,-2.356 ccw(c54.517,-3.245) 53.628,-2.356 53.628,-17.342

## Other copper
Top Layer:
  rectangle net AGND: 107.467,-15.977 112.878,-13.564
  rectangle net GND: 98.095,-16.789 103.505,-13.437
  region net MOTOR_PWR10: 114.461,-81.985 114.461,-80.334 113.445,-80.334 113.445,-81.985
  region net MOTOR_GND10: 114.461,-79.445 114.461,-77.794 113.445,-77.794 113.445,-79.445
  region net MOTOR_PWR9: 114.461,-76.143 114.461,-74.492 113.445,-74.492 113.445,-76.143
  region net MOTOR_GND9: 114.461,-73.73 114.461,-72.079 113.445,-72.079 113.445,-73.73
  region net MOTOR_PWR8: 114.461,-70.428 114.461,-68.777 113.445,-68.777 113.445,-70.428
  region net MOTOR_GND8: 114.461,-67.761 114.461,-66.11 113.445,-66.11 113.445,-67.761
  region net MOTOR_PWR7: 114.461,-64.586 114.461,-62.935 113.445,-62.935 113.445,-64.586
  region net MOTOR_GND7: 114.461,-62.173 114.461,-60.522 113.445,-60.522 113.445,-62.173
  region net MOTOR_PWR6: 114.461,-58.998 114.461,-57.347 113.445,-57.347 113.445,-58.998
  region net MOTOR_GND6: 114.461,-56.458 114.461,-54.807 113.445,-54.807 113.445,-56.458
  region net MOTOR_PWR5: 114.461,-51.378 114.461,-49.727 113.445,-49.727 113.445,-51.378
  region net MOTOR_GND5: 114.461,-48.838 114.461,-47.187 113.445,-47.187 113.445,-48.838
  region net MOTOR_PWR4: 114.461,-45.663 114.461,-44.012 113.445,-44.012 113.445,-45.663
  region net MOTOR_PWR2: 114.461,-34.233 114.461,-32.582 113.445,-32.582 113.445,-34.233
  region net MOTOR_GND2: 114.461,-31.566 114.461,-29.915 113.445,-29.915 113.445,-31.566
  region net MOTOR_PWR1: 114.461,-28.391 114.461,-26.74 113.445,-26.74 113.445,-28.391
  region net MOTOR_GND1: 114.461,-25.851 114.461,-24.2 113.445,-24.2 113.445,-25.851
  region net MOTOR_GND3: 114.461,-37.408 114.461,-35.757 113.445,-35.757 113.445,-37.408
  region net MOTOR_PWR3: 114.461,-39.948 114.461,-38.297 113.445,-38.297 113.445,-39.948
  region net MOTOR_GND4: 114.461,-43.123 114.461,-41.472 113.445,-41.472 113.445,-43.123
Bottom Layer:
  region net 3.5V: 64.383,-9.262 64.383,-2.15 57.398,-2.15 57.398,-9.262

## Silkscreen, mask and mechanical layers (free items; w line width, h text height)
Top Overlay:
  circle w0.254: c25.146,-65.176 r1.529
  circle w0.254: c58.75,-19.329 r1.529
  circle w0.254: c78.13,-84.633 r1.529
  circle w0.254: c66.65,-13.97 r1.529
  rectangle: 1.312,-68.138 4.106,-65.979
  rectangle: 0.09,-96.596 6.071,-94.437
  rectangle: 0.09,-91.516 6.096,-89.357
  rectangle: 3.748,-31.267 6.542,-29.108
  rectangle: 0.09,-86.462 6.071,-84.303
  rectangle: 3.666,-49.226 6.46,-47.067
  rectangle: 120.472,-23.622 129.427,-18.745
  rectangle: 121.26,-90.227 129.427,-86.284
  rectangle: 3.666,-14.237 6.46,-12.078
  text "GND" at 64.42,-11.817 h2.5
  text "读头头" at 8.997,-17.166 h2.5 r90
  text "5V" at 56.236,-17.374 h2.5
  text "485" at 8.026,-25.146 h2.5 r90
  text "电源" at 125.552,-25.806 h2.5
  text "温度头" at 70.362,-32.212 h2.5
  text "屏幕" at 15.875,-39.649 h2.5 r90
  text "3.5V" at 23.292,-62.941 h2.5
  text "门碰" at 8.971,-76.628 h2.5 r90
  text "照明" at 117.921,-88.265 h2.5 r90
  text "12V" at 76.175,-88.341 h2.5
  text "光检" at 8.726,-97.638 h2.5 r90
  text "制冷/加热" at 121.691,-101.879 h2.5 r90
Bottom Solder:
  rectangle: 69.063,-74.905 78.461,-64.11
  rectangle: 92.795,-8.173 95.919,-3.144
  region: 64.383,-9.262 64.383,-2.15 57.398,-2.15 57.398,-9.262

## Dimensions
0,-109.502 to 0,3 on Keep-Out Layer
0,-106.502 to 130,-106.502 on Keep-Out Layer

## Text inside footprints (layer, text, board x,y; h text height)
P1: Top Overlay "+" at 50.749,-13.236 h1.52 r180; Top Overlay "D-" at 50,-11.998 h1; Top Overlay "D+" at 50,-10.098 h1; Top Overlay "-" at 51.003,-7.521 h1.52 r90
U38: Top Overlay "+" at 27.711,-78.449 h2.03 r180